# Allegro board 1156197-TDI_VU3P_QSFP28_CXP_V001_1023A-166-20241121_1644_PCB.brd (continued)
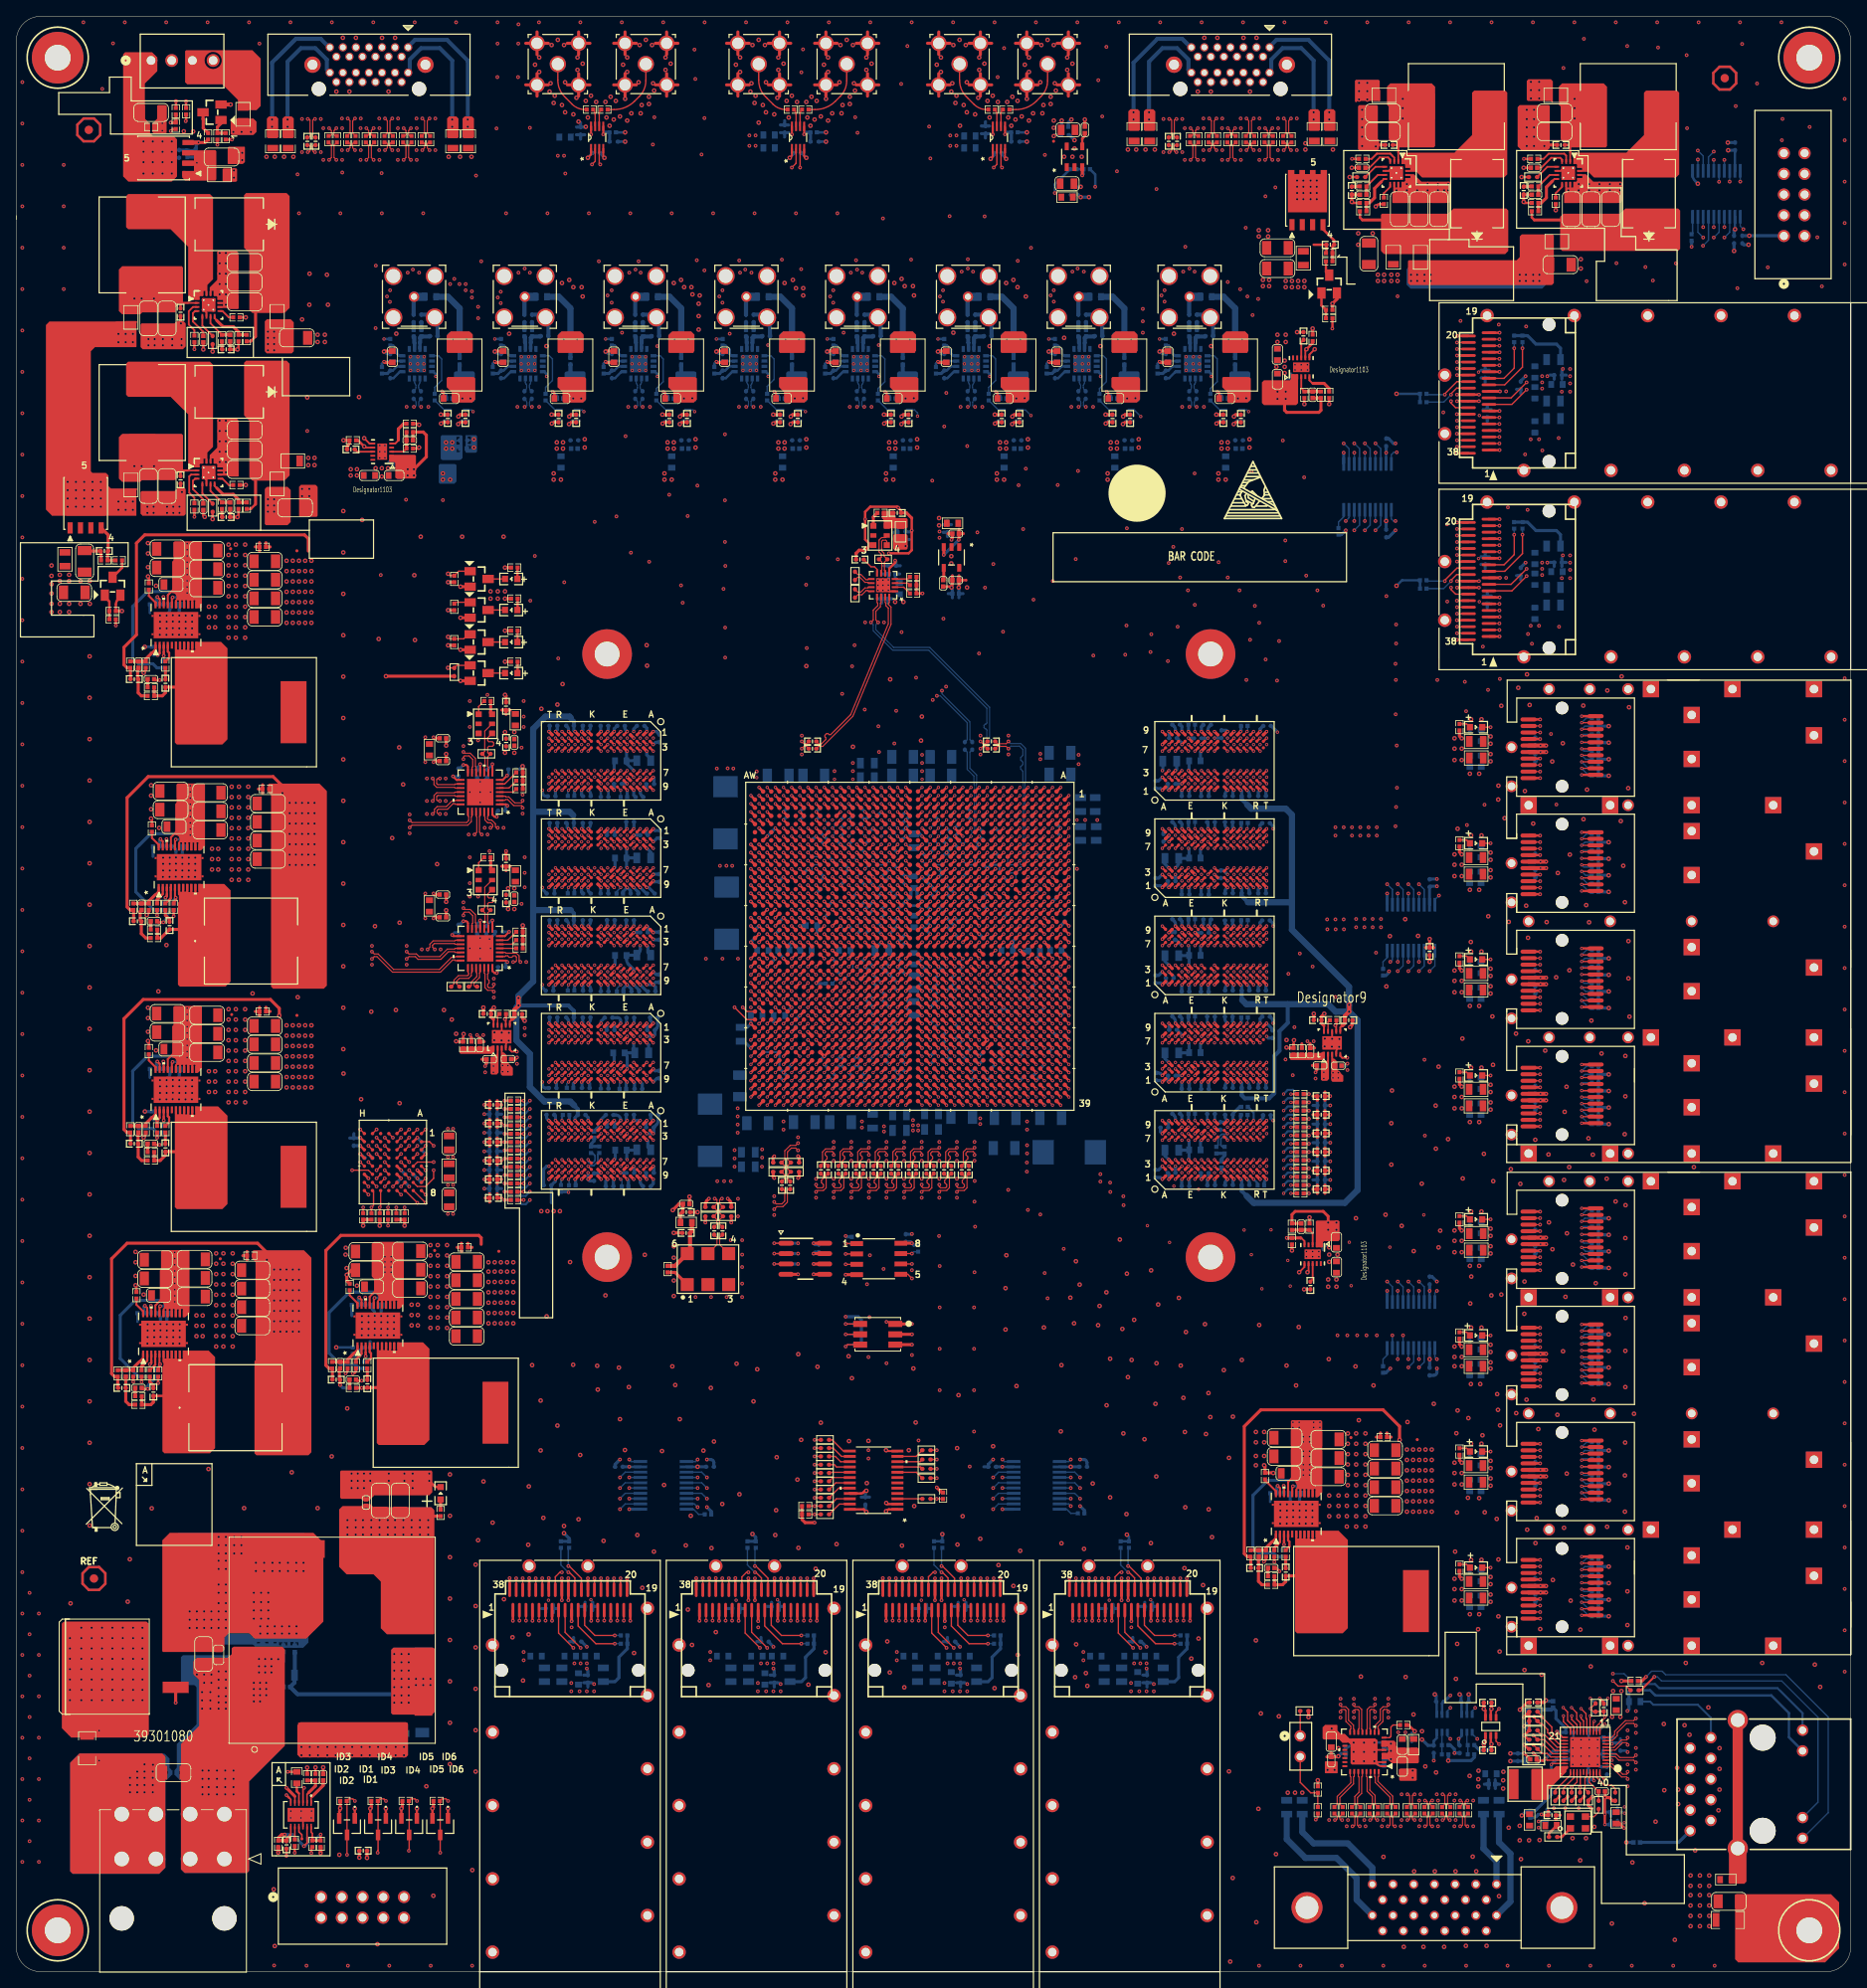
[diagram p0: board, top side]
## Routing (per net, layer and track width the routed paths; a pad name or vN(x,y) marks a point on that pad's centre or on a via; arc(x,y) is an arc through that point) (continued)
CHA_QSFP4_RX1_N: length 70
  TOP w0.14: U1.AU39 v3(92.1,106.36) ; v1(74.11,48.29) 74.11,48.28 J9.21
  ART14 w0.102: 91.75,105.89 91.75,105.92 91.7,105.97 91.7,106.64 arc(91.71,106.67) 91.73,106.71 91.75,106.72 arc(91.78,106.75) 91.82,106.76 91.97,106.76 arc(92.06,106.72) 92.1,106.62 v3(92.1,106.36)
  ART14 w0.114: v1(74.11,48.29) 73.98,48.42 arc(73.89,48.54) 73.86,48.7 73.86,49.63 arc(73.89,49.73) 73.94,49.81 74.17,50.04 arc(74.22,50.06) 74.27,50.04 arc(74.32,50.02) 74.37,50.04 74.6,50.26 arc(74.62,50.31) 74.6,50.36 74.59,50.36 arc(74.57,50.41) 74.59,50.46 77.02,52.89 arc(78.01,54.37) 78.36,56.12 78.36,64.55 arc(78.68,66.16) 79.59,67.52 91.66,79.6 arc(93.38,82.16) 93.98,85.19 93.98,100.9 arc(93.8,101.83) 93.27,102.62 92.99,102.9 arc(92.93,102.98) 92.91,103.08 92.91,103.92 arc(92.9,104.1) 92.86,104.27 arc(92.85,104.32) 92.83,104.38 92.77,104.51 arc(92.72,104.62) 92.65,104.71 92.35,105.01 arc(92.33,105.05) 92.35,105.1 arc(92.37,105.14) 92.35,105.19 92.11,105.42 arc(92.07,105.44) 92.02,105.42 arc(91.98,105.4) 91.94,105.42 91.8,105.56 arc(91.77,105.61) 91.75,105.67 91.75,105.89
CHA_QSFP4_RX1_P: length 70
  TOP w0.14: v1(73.31,48.29) 73.31,48.28 J9.22 ; U1.AU38 v3(92.1,107.36)
  ART14 w0.102: v3(92.1,107.36) 92.1,107.13 arc(92.05,107.01) 91.93,106.96 91.82,106.96 arc(91.71,106.94) 91.6,106.87 91.59,106.85 arc(91.52,106.75) 91.5,106.64 91.5,105.97 91.45,105.92 91.45,105.89
  ART14 w0.114: 91.45,105.89 91.45,105.67 arc(91.48,105.49) 91.58,105.34 92.43,104.49 arc(92.46,104.45) 92.49,104.4 92.54,104.27 arc(92.56,104.23) 92.57,104.18 arc(92.6,104.05) 92.61,103.92 92.61,103.08 arc(92.65,102.86) 92.77,102.68 93.05,102.4 arc(93.51,101.71) 93.67,100.9 93.67,85.19 arc(93.09,82.28) 91.45,79.82 79.37,67.74 arc(78.39,66.28) 78.05,64.56 78.05,56.12 arc(77.73,54.49) 76.8,53.11 74.88,51.18 73.73,50.03 arc(73.6,49.84) 73.56,49.63 73.56,48.7 arc(73.53,48.54) 73.44,48.42 v1(73.31,48.29)
CHA_QSFP4_RX2_N: length 81.2
  TOP w0.14: J9.15 v1(72.11,43.09) ; U1.AR39 v3(94.1,106.36)
  ART14 w0.102: v3(94.1,106.36) 94.1,106.65 arc(94.13,106.73) 94.2,106.76 94.37,106.76 arc(94.41,106.75) 94.45,106.73 94.46,106.71 arc(94.49,106.67) 94.5,106.62 94.5,105.97 94.45,105.92 94.45,105.89
  ART14 w0.114: v1(72.11,43.09) 71.97,42.95 arc(71.89,42.83) 71.87,42.69 71.87,42.68 arc(72.01,42.33) 72.36,42.19 74.94,42.19 arc(74.99,42.21) 75.01,42.27 arc(75.04,42.32) 75.09,42.34 75.39,42.34 arc(75.45,42.32) 75.47,42.27 arc(75.49,42.21) 75.55,42.19 75.85,42.19 arc(75.91,42.21) 75.93,42.27 arc(75.95,42.32) 76,42.34 76.31,42.34 arc(76.36,42.32) 76.39,42.27 arc(76.41,42.21) 76.46,42.19 76.66,42.19 arc(77.5,42.36) 78.21,42.83 79.39,44.01 arc(80,44.92) 80.21,45.99 80.21,46.32 arc(80.19,46.37) 80.14,46.39 arc(80.08,46.41) 80.06,46.47 80.06,46.78 arc(80.08,46.83) 80.14,46.85 arc(80.19,46.87) 80.21,46.92 80.21,47.23 arc(80.19,47.29) 80.14,47.31 arc(80.08,47.33) 80.06,47.38 80.06,47.69 arc(80.08,47.74) 80.14,47.76 arc(80.19,47.79) 80.21,47.84 80.21,48.15 arc(80.19,48.2) 80.14,48.22 arc(80.08,48.24) 80.06,48.3 80.06,48.6 arc(80.08,48.66) 80.14,48.68 arc(80.19,48.7) 80.21,48.75 80.21,61.64 arc(80.88,65) 82.79,67.85 91.28,76.35 arc(93.99,80.4) 94.94,85.18 94.94,102.9 arc(94.92,102.96) 94.86,102.99 arc(94.79,103.01) 94.77,103.08 94.77,103.36 arc(94.79,103.42) 94.86,103.44 arc(94.92,103.47) 94.94,103.53 94.94,103.81 arc(94.92,103.88) 94.86,103.9 arc(94.79,103.93) 94.77,103.99 94.77,104.27 arc(94.79,104.33) 94.86,104.36 arc(94.92,104.38) 94.94,104.45 94.94,104.59 arc(94.92,104.69) 94.87,104.78 94.62,105.03 arc(94.49,105.21) 94.45,105.43 94.45,105.89
CHA_QSFP4_RX2_P: length 81.3
  TOP w0.14: U1.AR38 v3(94.1,107.36) ; J9.14 v1(71.31,43.09)
  ART14 w0.102: 94.75,105.89 94.75,105.92 94.7,105.97 94.7,106.62 arc(94.68,106.74) 94.61,106.85 94.59,106.87 arc(94.49,106.94) 94.37,106.96 94.2,106.96 arc(94.13,106.99) 94.1,107.06 v3(94.1,107.36)
  ART14 w0.114: 94.75,105.89 94.75,105.43 arc(94.78,105.33) 94.83,105.25 95.08,105 arc(95.21,104.81) 95.25,104.59 95.25,85.18 arc(94.28,80.29) 91.5,76.13 83,67.64 arc(81.16,64.88) 80.52,61.64 80.52,45.99 arc(80.28,44.8) 79.61,43.8 78.43,42.61 arc(77.62,42.07) 76.66,41.88 72.36,41.88 arc(71.79,42.12) 71.56,42.68 71.56,42.69 arc(71.53,42.83) 71.45,42.95 v1(71.31,43.09)
CHA_QSFP4_RX3_N: length 76.6
  TOP w0.14: v1(71.71,48.29) 71.71,46.88 J9.24 ; U1.AN39 v3(96.1,106.36)
  ART14 w0.102: 90.75,105.77 90.75,105.79 90.7,105.84 90.7,107.39 arc(90.81,107.65) 91.07,107.76 95.2,107.76 arc(95.41,107.67) 95.5,107.46 95.5,107.06 arc(95.59,106.84) 95.8,106.76 96,106.76 arc(96.07,106.73) 96.1,106.65 v3(96.1,106.36)
  ART14 w0.114: v1(71.71,48.29) 71.52,48.48 arc(71.48,48.54) 71.46,48.61 71.46,48.62 arc(71.49,48.75) 71.56,48.85 71.83,49.12 arc(71.98,49.35) 72.04,49.62 72.04,50.01 arc(72.14,50.53) 72.44,50.97 75.12,53.65 arc(76.24,55.33) 76.63,57.32 76.63,65.3 arc(76.82,66.22) 77.34,67 90.32,79.98 arc(91.62,81.92) 92.08,84.21 92.08,96.35 arc(91.99,96.79) 91.74,97.16 91,97.9 arc(90.82,98.17) 90.75,98.49 90.75,103.31 arc(90.77,103.36) 90.82,103.38 arc(90.86,103.4) 90.88,103.44 90.88,103.77 arc(90.86,103.82) 90.82,103.84 arc(90.77,103.85) 90.75,103.9 90.75,104.23 arc(90.77,104.27) 90.82,104.29 arc(90.86,104.31) 90.88,104.36 90.88,104.69 arc(90.86,104.73) 90.82,104.75 arc(90.77,104.77) 90.75,104.81 90.75,105.77
CHA_QSFP4_RX3_P: length 76.7
  TOP w0.14: J9.25 70.91,46.88 v1(70.91,48.29) ; U1.AN38 v3(96.1,107.36)
  ART14 w0.102: v3(96.1,107.36) 96.1,107.06 arc(96.07,106.99) 96,106.96 95.8,106.96 arc(95.73,106.99) 95.7,107.06 95.7,107.46 arc(95.56,107.81) 95.2,107.96 91.07,107.96 arc(90.67,107.79) 90.5,107.39 90.5,105.84 90.45,105.79 90.45,105.77
  ART14 w0.114: v1(70.91,48.29) 71.1,48.48 arc(71.14,48.54) 71.16,48.61 71.16,48.62 arc(71.21,48.86) 71.34,49.07 71.61,49.34 arc(71.7,49.47) 71.73,49.62 71.73,50.01 arc(71.86,50.65) 72.22,51.19 74.9,53.87 arc(75.96,55.45) 76.33,57.32 76.33,65.3 arc(76.53,66.34) 77.12,67.22 90.1,80.2 arc(91.34,82.04) 91.77,84.21 91.77,96.35 arc(91.7,96.67) 91.52,96.95 90.78,97.69 arc(90.53,98.06) 90.45,98.49 90.45,105.77
CHA_QSFP4_TX0_N: length 84.3
  TOP w0.14: J9.37 61.31,48.28 v1(61.31,48.29) ; U1.AW34 v3(90.1,111.36)
  ART16 w0.102: v3(90.1,111.36) 90.1,111.57 arc(90.16,111.7) 90.29,111.76 90.31,111.76 arc(90.44,111.7) 90.5,111.57 90.5,110 90.48,109.58 90.48,105.89 90.43,105.84 90.43,105.82
  ART16 w0.114: 90.43,105.82 90.43,99.01 arc(90.57,98.3) 90.97,97.7 arc(91.56,96.81) 91.77,95.77 91.77,83.09 arc(91.54,81.95) 90.9,80.99 87.81,77.91 arc(84.94,75.99) 81.55,75.31 77.94,75.31 arc(76.45,75.01) 75.18,74.17 71.14,70.12 arc(70.54,69.23) 70.33,68.18 70.33,63.95 arc(70.16,63.09) 69.68,62.37 61.2,53.89 arc(60.98,53.56) 60.91,53.18 60.91,51.33 arc(60.88,51.28) 60.83,51.25 arc(60.78,51.23) 60.76,51.18 60.76,50.87 arc(60.78,50.82) 60.83,50.8 arc(60.88,50.78) 60.91,50.72 60.91,50.42 arc(60.88,50.36) 60.83,50.34 arc(60.78,50.32) 60.76,50.27 60.76,49.96 arc(60.78,49.91) 60.83,49.88 arc(60.88,49.86) 60.91,49.81 60.91,49.64 arc(60.95,49.42) 61.07,49.23 61.48,48.83 arc(61.54,48.74) 61.56,48.64 61.56,48.63 arc(61.54,48.54) 61.49,48.46 v1(61.31,48.29)
CHA_QSFP4_TX0_P: length 84.3
  TOP w0.14: J9.36 62.11,46.88 v1(62.11,48.29) ; U1.AW33 v3(90.1,112.36)
  ART16 w0.102: 90.73,105.82 90.73,105.84 90.68,105.89 90.68,109.58 90.7,109.99 90.7,111.57 arc(90.59,111.84) 90.31,111.96 90.29,111.96 arc(90.16,112.01) 90.1,112.15 v3(90.1,112.36)
  ART16 w0.114: 90.73,105.82 90.73,99.01 arc(90.85,98.42) 91.19,97.92 arc(91.84,96.93) 92.08,95.77 92.08,83.09 arc(91.83,81.84) 91.12,80.78 88.03,77.69 arc(85.06,75.7) 81.55,75 77.94,75 arc(76.57,74.73) 75.4,73.95 71.36,69.9 arc(70.83,69.11) 70.64,68.18 70.64,63.95 arc(70.45,62.97) 69.89,62.15 61.42,53.67 arc(61.27,53.45) 61.21,53.18 61.21,49.64 arc(61.23,49.54) 61.29,49.45 61.7,49.05 arc(61.82,48.86) 61.86,48.64 61.86,48.63 arc(61.88,48.54) 61.93,48.46 v1(62.11,48.29)
CHA_QSFP4_TX1_N: length 98.2
  TOP w0.14: v1(61.71,43.09) 61.71,44.37 J9.2 ; U1.AU34 v3(92.1,111.36)
  ART16 w0.102: v3(92.1,111.36) 92.1,111.57 arc(92.05,111.7) 91.91,111.76 91.8,111.76 arc(91.59,111.84) 91.5,112.06 91.5,112.46 arc(91.41,112.67) 91.2,112.76 89.81,112.76 89.76,112.7 89.73,112.7
  ART16 w0.114: v1(61.71,43.09) 61.84,42.96 arc(61.93,42.83) 61.96,42.68 61.96,42.51 arc(61.89,42.34) 61.72,42.27 61.57,42.27 arc(61.52,42.29) 61.5,42.34 arc(61.47,42.4) 61.42,42.42 61.11,42.42 arc(61.06,42.4) 61.04,42.34 arc(61.02,42.29) 60.96,42.27 60.55,42.27 arc(60.2,42.33) 59.91,42.53 59.81,42.63 arc(59.78,42.7) 59.81,42.77 arc(59.84,42.84) 59.81,42.91 59.62,43.09 arc(59.56,43.12) 59.49,43.09 arc(59.42,43.06) 59.35,43.09 59.12,43.32 arc(58.96,43.56) 58.9,43.84 58.9,44.06 arc(58.92,44.11) 58.98,44.13 arc(59.03,44.16) 59.05,44.21 59.05,44.51 arc(59.03,44.57) 58.98,44.59 arc(58.92,44.61) 58.9,44.67 58.9,44.97 arc(58.92,45.02) 58.98,45.05 arc(59.03,45.07) 59.05,45.12 59.05,45.43 arc(59.03,45.48) 58.98,45.5 arc(58.92,45.53) 58.9,45.58 58.9,45.89 arc(58.92,45.94) 58.98,45.96 arc(59.03,45.98) 59.05,46.04 59.05,46.34 arc(59.03,46.4) 58.98,46.42 arc(58.92,46.44) 58.9,46.49 58.9,52.68 arc(59.11,53.74) 59.71,54.63 67,61.92 arc(67.59,62.8) 67.79,63.83 67.79,68.48 arc(67.93,69.18) 68.33,69.77 74.12,75.56 arc(76.59,77.22) 79.51,77.8 82.54,77.8 arc(85.37,78.36) 87.76,79.96 89.48,81.68 arc(90.18,82.72) 90.42,83.95 90.42,95.42 arc(90.29,96.08) 89.92,96.65 89.86,96.71 arc(89.52,97.2) 89.41,97.79 89.41,108.54 arc(89.43,108.6) 89.48,108.62 arc(89.54,108.64) 89.56,108.7 89.56,109 arc(89.54,109.05) 89.48,109.08 arc(89.43,109.1) 89.41,109.15 89.41,109.46 arc(89.43,109.51) 89.48,109.53 arc(89.54,109.56) 89.56,109.61 89.56,109.91 arc(89.54,109.97) 89.48,109.99 arc(89.43,110.01) 89.41,110.07 89.41,110.37 arc(89.43,110.43) 89.48,110.45 arc(89.54,110.47) 89.56,110.52 89.56,110.83 arc(89.54,110.88) 89.48,110.91 arc(89.43,110.93) 89.41,110.98 89.41,112.48 arc(89.44,112.6) 89.53,112.68 arc(89.58,112.7) 89.64,112.7 89.73,112.7
CHA_QSFP4_TX1_P: length 98.3
  TOP w0.14: U1.AU33 v3(92.1,112.36) ; J9.3 62.51,44.37 v1(62.51,43.09)
  ART16 w0.102: v3(92.1,112.36) 92.1,112.15 arc(92.05,112.01) 91.91,111.96 91.8,111.96 arc(91.73,111.99) 91.7,112.06 91.7,112.46 arc(91.56,112.81) 91.2,112.96 89.81,112.96 89.76,113.01 89.73,113.01
  ART16 w0.114: v1(62.51,43.09) 62.38,42.96 arc(62.3,42.83) 62.27,42.68 62.27,42.51 arc(62.11,42.12) 61.72,41.96 60.55,41.96 arc(60.08,42.05) 59.69,42.31 58.9,43.1 arc(58.67,43.44) 58.6,43.84 58.6,52.68 arc(58.83,53.85) 59.5,54.85 66.79,62.14 arc(67.3,62.92) 67.49,63.83 67.49,68.48 arc(67.65,69.3) 68.11,69.99 73.9,75.78 arc(76.47,77.5) 79.51,78.11 82.54,78.11 arc(85.25,78.64) 87.55,80.18 89.27,81.9 arc(89.9,82.84) 90.12,83.95 90.12,95.42 arc(90.01,95.97) 89.7,96.43 89.64,96.49 arc(89.24,97.09) 89.1,97.79 89.1,112.48 arc(89.18,112.76) 89.4,112.96 arc(89.47,112.98) 89.53,113 arc(89.58,113.01) 89.64,113.01 89.73,113.01
CHA_QSFP4_TX2_N: length 80.8
  TOP w0.14: U1.AT36 v3(93.1,109.36) ; J9.34 v1(63.71,48.29)
  ART16 w0.102: 93.43,105.69 93.43,105.71 93.48,105.77 93.48,107.62 93.5,108.04 93.5,109.59 arc(93.45,109.71) 93.34,109.76 93.25,109.76 arc(93.14,109.71) 93.1,109.61 v3(93.1,109.36)
  ART16 w0.114: v1(63.71,48.29) 63.9,48.47 arc(63.94,48.54) 63.96,48.62 63.96,48.63 arc(63.99,48.81) 64.09,48.96 64.48,49.34 arc(64.56,49.47) 64.59,49.61 64.59,50.54 arc(64.57,50.58) 64.53,50.6 64.51,50.6 arc(64.47,50.62) 64.45,50.66 64.45,51 arc(64.47,51.04) 64.51,51.06 64.53,51.06 arc(64.57,51.08) 64.59,51.12 64.59,51.45 arc(64.57,51.5) 64.53,51.52 64.51,51.52 arc(64.47,51.53) 64.45,51.58 64.45,51.91 arc(64.47,51.95) 64.51,51.97 64.53,51.97 arc(64.57,51.99) 64.59,52.04 64.59,53.23 arc(64.74,53.99) 65.17,54.63 71.21,60.68 arc(72.03,61.89) 72.31,63.32 72.31,67.03 arc(72.49,67.92) 72.99,68.68 75.47,71.15 arc(77.88,72.77) 80.73,73.33 83.29,73.33 arc(85.24,73.72) 86.89,74.82 92.42,80.35 arc(93.35,81.74) 93.67,83.38 93.67,101.14 arc(93.55,101.73) 93.22,102.23 arc(93.03,102.52) 92.96,102.85 92.96,104.54 arc(93.03,104.87) 93.22,105.16 93.28,105.21 arc(93.39,105.38) 93.43,105.58 93.43,105.69
CHA_QSFP4_TX2_P: length 80.7
  TOP w0.14: J9.33 64.51,46.88 v1(64.51,48.29) ; U1.AT35 v3(93.1,110.36)
  ART16 w0.102: v3(93.1,110.36) 93.1,110.15 arc(93.16,110.01) 93.29,109.96 93.34,109.96 arc(93.6,109.85) 93.7,109.59 93.7,108.03 93.68,107.61 93.68,105.77 93.73,105.71 93.73,105.69
  ART16 w0.114: v1(64.51,48.29) 64.31,48.48 arc(64.28,48.54) 64.26,48.6 64.26,48.63 arc(64.28,48.69) 64.31,48.74 64.7,49.13 arc(64.84,49.35) 64.9,49.61 64.9,53.23 arc(65.02,53.87) 65.39,54.41 71.43,60.46 arc(72.31,61.77) 72.62,63.32 72.62,67.03 arc(72.77,67.81) 73.21,68.46 75.68,70.93 arc(78,72.48) 80.73,73.03 83.29,73.03 arc(85.35,73.44) 87.11,74.61 92.63,80.13 arc(93.63,81.63) 93.98,83.38 93.98,101.14 arc(93.84,101.85) 93.44,102.45 arc(93.31,102.63) 93.27,102.85 93.27,104.54 arc(93.31,104.76) 93.44,104.94 93.49,105 arc(93.67,105.26) 93.73,105.58 93.73,105.69
CHA_QSFP4_TX3_N: length 85.5
  TOP w0.14: U1.AP36 v3(95.1,109.36) ; v1(64.11,43.09) 64.11,44.37 J9.5
  ART16 w0.102: 95.43,105.56 95.43,105.59 95.48,105.64 95.48,107.62 95.5,108.04 95.5,109.62 arc(95.46,109.72) 95.36,109.76 95.25,109.76 arc(95.14,109.71) 95.1,109.61 v3(95.1,109.36)
  ART16 w0.114: 95.43,105.56 95.43,105.45 arc(95.37,105.15) 95.2,104.91 arc(95.01,104.62) 94.94,104.28 94.94,83.14 arc(94.37,80.25) 92.73,77.79 86.74,71.8 arc(85.7,71.11) 84.47,70.87 83.66,70.87 arc(82.92,70.72) 82.29,70.3 78.43,66.44 arc(77.98,65.77) 77.82,64.98 77.82,58.56 arc(77.69,57.91) 77.33,57.36 75.16,55.2 arc(74.63,54.84) 74,54.71 71.41,54.71 arc(70.72,54.58) 70.13,54.18 66.58,50.64 arc(66.1,49.92) 65.94,49.07 65.94,48.06 arc(65.89,47.85) 65.77,47.66 64.95,46.85 arc(64.51,46.19) 64.36,45.42 64.36,45.14 arc(64.34,45.09) 64.3,45.07 arc(64.25,45.06) 64.24,45.01 64.24,44.68 arc(64.25,44.63) 64.3,44.62 arc(64.34,44.6) 64.36,44.55 64.36,44.22 arc(64.34,44.18) 64.3,44.16 arc(64.25,44.14) 64.24,44.1 64.24,43.76 arc(64.25,43.72) 64.3,43.7 arc(64.34,43.68) 64.36,43.64 64.36,43.5 arc(64.33,43.35) 64.24,43.22 v1(64.11,43.09)
CHA_QSFP4_TX3_P: length 85.5
  TOP w0.14: v1(64.91,43.09) 64.91,43.09 J9.6 ; U1.AP35 v3(95.1,110.36)
  ART16 w0.102: v3(95.1,110.36) 95.1,110.15 arc(95.16,110.01) 95.29,109.96 95.36,109.96 arc(95.6,109.86) 95.7,109.62 95.7,108.03 95.68,107.61 95.68,105.64 95.73,105.59 95.73,105.56
  ART16 w0.114: v1(64.91,43.09) 64.78,43.22 arc(64.7,43.35) 64.67,43.5 64.67,45.42 arc(64.8,46.07) 65.17,46.63 65.99,47.44 arc(66.18,47.73) 66.24,48.06 66.24,49.07 arc(66.39,49.8) 66.8,50.42 70.35,53.97 arc(70.84,54.29) 71.41,54.41 74,54.41 arc(74.74,54.56) 75.38,54.98 77.54,57.15 arc(77.98,57.79) 78.13,58.56 78.13,64.98 arc(78.26,65.65) 78.65,66.22 82.5,70.08 arc(83.03,70.43) 83.66,70.56 84.47,70.56 arc(85.82,70.83) 86.95,71.59 92.94,77.58 arc(94.65,80.13) 95.25,83.14 95.25,104.28 arc(95.29,104.5) 95.42,104.69 arc(95.65,105.04) 95.73,105.45 95.73,105.56
CHA_QSFP4_VCCI: length 4.2
  TOP w0.305: v1(66.91,45.59) J9.30 v1(66.91,48.29)
  BOTTOM w0.381: 65.88,44.07 C502.1 ; C502.1 65.88,45.08 ; C502.1 66.41,44.57
CHA_QSFP4_VCCRX: length 2.4
  TOP w0.356: v1(68.11,43.03) 68.11,43.03 J9.10
  BOTTOM w0.381: 67.83,40.52 C497.1 68.36,41.02
  vias: v1(68.11,42.26)
CHA_QSFP4_VCCTX: length 4.2
  TOP w0.305: v1(67.71,45.59) J9.29 v1(67.71,48.29)
  BOTTOM w0.381: 69.23,44.83 C499.1 ; C499.1 69.76,45.34 ; C499.1 69.76,44.32
CHA_QSFP5_I2C_SCL: length 35.2
  TOP w0.17: v1(97.92,62.23) R511.2 ; J11.11 91.8,42.43 93.97,40.26 v1(96.29,40.26)
  ART05 w0.122: v1(97.92,62.23) 97.16,61.47 97.16,53.21 99.82,50.55 99.82,47.24 98.81,46.23 98.81,43.89 99.31,43.39 99.31,41.32 98.25,40.26 v1(96.29,40.26)
  BOTTOM w0.17: R258.2 v1(96.29,40.26)
CHA_QSFP5_I2C_SDA: length 34
  TOP w0.17: v1(97.92,63.25) R510.2 ; v1(96.29,41.27) 93.85,41.27 92.6,42.52 J11.12
  ART05 w0.122: v1(97.92,63.25) 96.65,61.98 96.65,52.83 99.19,50.29 99.19,47.37 98.17,46.35 98.17,43.81 98.81,43.18 98.81,41.78 98.3,41.27 v1(96.29,41.27)
  BOTTOM w0.17: R259.2 v1(96.29,41.27)
CHA_QSFP5_INTL: length 5.9
  TOP w0.17: v1(90.6,49.02) 90.7,49.02 91.4,48.33 J11.28
  BOTTOM w0.17: v1(90.6,49.02) 90.58,49.02 89.68,49.92 R261.2
CHA_QSFP5_LPMODE: length 25.3
  TOP w0.17: v1(89.8,49.02) 89.56,49.02 89,48.46 J11.31
  ART05 w0.122: v1(89.8,49.02) 89.28,49.54 89.28,51.18 86.74,53.72 81.28,53.72 78.99,56.01 74.8,56.01 v1(74.04,56.76)
  BOTTOM w0.17: v1(74.04,56.76) 74.69,57.41 U22.12
CHA_QSFP5_LPMODE_1V8: length 90
  TOP w0.152: U1.P26 v1(116.1,119.36)
  ART12 w0.122: v1(116.1,119.36) 115.8,119.36 115.32,118.87 114.94,118.87 114.55,118.49 114.55,105.92 116.46,104.01 116.46,72.9 112.01,68.45 96.09,68.45 85.17,57.53 84.07,57.53 v1(83.57,57.02)
  BOTTOM w0.17: U22.9 83.17,57.41 v1(83.57,57.02)
CHA_QSFP5_MODPRSL: length 26.8
  TOP w0.17: J11.27 92.2,48.29 90.7,49.78 v1(90.6,49.78)
  ART05 w0.122: v1(75.18,58.06) 76.23,57.02 78.87,57.02 81.41,54.48 87,54.48 89.92,51.56 89.92,50.46 v1(90.6,49.78)
  BOTTOM w0.17: U22.13 v1(75.18,58.06) ; R260.2 90.6,51.92 v1(90.6,49.78)
CHA_QSFP5_MODPRSL_1V8: length 93.3
  TOP w0.152: U1.M24 v1(118.1,121.36)
  ART12 w0.122: v1(118.1,121.36) 117.65,120.9 112.9,120.9 112.65,120.65 112.65,106.05 114.81,103.89 114.81,73.76 110.52,69.47 95.67,69.47 85,58.8 84.3,58.8 v1(83.57,58.06)
  BOTTOM w0.17: U22.8 v1(83.57,58.06)
CHA_QSFP5_MODSEIL: length 40.6
  TOP w0.17: v1(91.21,39.75) 89.4,41.56 J11.8
  ART05 w0.122: v1(91.21,39.75) 89.53,41.43 89.53,43.56 88.9,44.2 84.2,44.2 81.66,46.74 81.66,50.1 77.41,54.36 73.6,54.36 72.64,55.31 72.64,57.78 73.53,58.67 74.49,58.67 v1(75.18,59.37)
  BOTTOM w0.17: U22.15 75.18,59.36 v1(75.18,59.37)
CHA_QSFP5_MODSEIL_1V8: length 95.5
  TOP w0.152: U1.N24 v1(117.1,121.36)
  ART12 w0.122: v1(83.57,59.37) 84.27,60.07 84.83,60.07 95.25,70.48 110.11,70.48 113.79,74.16 113.79,102.87 110.67,105.99 110.67,122.61 110.87,122.81 115.32,122.81 115.57,122.56 115.57,122.17 115.95,121.79 116.46,121.79 116.89,121.36 v1(117.1,121.36)
  BOTTOM w0.17: U22.6 83.57,59.36 v1(83.57,59.37)
CHA_QSFP5_RESETL: length 39.7
  TOP w0.17: J11.9 90.2,41.65 v1(92.1,39.75)
  ART05 w0.122: v1(74.04,58.06) 73.3,57.32 73.3,55.73 73.91,55.12 77.72,55.12 82.42,50.42 82.42,47.12 84.71,44.83 89.53,44.83 90.3,44.07 90.3,41.55 v1(92.1,39.75)
  BOTTOM w0.17: v1(74.04,58.06) 74.69,58.71 U22.14
CHA_QSFP5_RESETL_1V8: length 91.1
  TOP w0.152: U1.P25 v1(116.1,120.36)
  ART12 w0.122: v1(116.1,120.36) 115.63,119.89 114.05,119.89 113.67,119.51 113.67,105.92 115.95,103.63 115.95,73.15 111.76,68.96 95.88,68.96 84.98,58.06 v1(84.71,58.06)
  BOTTOM w0.17: U22.7 84.06,58.71 v1(84.71,58.06)
CHA_QSFP5_RX0_N: length 71.8
  TOP w0.14: J11.18 97.4,44.37 v1(97.4,43.09) ; U1.AL39 v3(98.1,106.36)
  ART14 w0.102: v3(98.1,106.36) 98.1,106.65 arc(98.07,106.73) 98,106.76 97.82,106.76 arc(97.74,106.72) 97.7,106.64 97.7,105.97 97.75,105.92 97.75,105.89
  ART14 w0.114: v1(97.4,43.09) 97.27,43.22 arc(97.18,43.35) 97.15,43.5 97.15,43.69 arc(97.05,44.18) 96.77,44.6 96.65,44.73 arc(96.63,44.78) 96.65,44.83 96.65,44.83 arc(96.67,44.88) 96.65,44.93 96.43,45.15 arc(96.38,45.17) 96.33,45.15 arc(96.28,45.13) 96.23,45.15 96,45.37 arc(95.98,45.42) 96,45.47 arc(96.03,45.52) 96,45.57 95.78,45.8 arc(95.73,45.82) 95.68,45.8 95.68,45.8 arc(95.63,45.78) 95.58,45.8 95,46.38 arc(94.6,46.64) 94.13,46.74 93.75,46.74 arc(93.16,46.85) 92.67,47.19 91.86,47.99 arc(91.66,48.29) 91.59,48.64 91.59,63.84 arc(91.98,65.78) 93.07,67.42 95.64,69.98 arc(96.67,71.52) 97.03,73.34 97.03,104.1 arc(97.04,104.18) 97.06,104.27 arc(97.1,104.33) 97.15,104.39 97.41,104.64 arc(97.66,105.03) 97.75,105.49 97.75,105.89
CHA_QSFP5_RX0_P: length 71.8
  TOP w0.14: J11.17 96.6,44.37 v1(96.6,43.09) ; U1.AL38 v3(98.1,107.36)
  ART14 w0.102: v3(98.1,107.36) 98.1,107.06 arc(98.07,106.99) 98,106.96 97.82,106.96 arc(97.59,106.87) 97.5,106.64 97.5,105.97 97.45,105.92 97.45,105.89
  ART14 w0.114: 97.45,105.89 97.45,105.49 arc(97.38,105.15) 97.19,104.86 96.93,104.6 arc(96.81,104.45) 96.74,104.27 arc(96.73,104.18) 96.72,104.1 96.72,73.34 arc(96.38,71.64) 95.42,70.2 92.86,67.64 arc(91.69,65.9) 91.29,63.84 91.29,48.64 arc(91.38,48.17) 91.64,47.77 92.45,46.97 arc(93.05,46.57) 93.75,46.43 94.13,46.43 arc(94.48,46.36) 94.78,46.16 96.55,44.39 arc(96.77,44.07) 96.84,43.69 96.84,43.5 arc(96.81,43.35) 96.73,43.22 v1(96.6,43.09)
CHA_QSFP5_RX1_N: length 63.8
  TOP w0.14: v1(97,48.29) 97,48.28 J11.21 ; U1.AJ39 v3(100.1,106.36)
  ART14 w0.102: v3(100.1,106.36) 100.1,106.62 arc(100.06,106.72) 99.97,106.76 99.87,106.76 arc(99.75,106.71) 99.7,106.59 99.7,105.97 99.75,105.92 99.75,105.89
  ART14 w0.114: 99.75,105.89 99.75,105.26 arc(99.77,105.16) 99.83,105.07 99.95,104.96 arc(100,104.94) 100.05,104.96 arc(100.1,104.98) 100.15,104.96 100.37,104.73 arc(100.39,104.68) 100.37,104.63 arc(100.35,104.58) 100.37,104.53 100.59,104.31 arc(100.64,104.29) 100.69,104.31 arc(100.74,104.33) 100.79,104.31 101.02,104.09 arc(101.04,104.04) 101.02,103.99 arc(101,103.94) 101.02,103.89 101.11,103.8 arc(101.28,103.53) 101.35,103.22 101.35,94.09 arc(101.3,93.87) 101.18,93.69 101.04,93.55 arc(100.99,93.46) 100.97,93.36 100.97,57.31 arc(100.47,54.82) 99.06,52.7 97.57,51.22 arc(96.96,50.31) 96.75,49.23 96.75,48.7 arc(96.78,48.54) 96.87,48.42 v1(97,48.29)
CHA_QSFP5_RX1_P: length 63.8
  TOP w0.14: v1(96.2,48.29) 96.2,48.28 J11.22 ; U1.AJ38 v3(100.1,107.36)
  ART14 w0.102: v3(100.1,107.36) 100.1,107.06 arc(100.07,106.99) 100,106.96 99.87,106.96 arc(99.61,106.85) 99.5,106.59 99.5,105.97 99.45,105.92 99.45,105.89
  ART14 w0.114: 99.45,105.89 99.45,105.26 arc(99.49,105.04) 99.61,104.85 100.2,104.27 100.89,103.58 arc(101,103.42) 101.04,103.22 101.04,94.09 arc(101.02,93.99) 100.96,93.9 100.83,93.77 arc(100.7,93.58) 100.66,93.36 100.66,57.31 arc(100.19,54.93) 98.84,52.92 97.36,51.44 arc(96.68,50.42) 96.44,49.23 96.44,48.7 arc(96.41,48.54) 96.33,48.42 v1(96.2,48.29)
CHA_QSFP5_RX2_N: length 75.1
  TOP w0.14: J11.15 95,44.37 v1(95,43.09) ; U1.AG39 v3(102.1,106.36)
  ART14 w0.102: v3(102.1,106.36) 102.1,106.65 arc(102.13,106.73) 102.2,106.76 102.39,106.76 arc(102.47,106.72) 102.5,106.64 102.5,105.97 102.45,105.92 102.45,105.89
  ART14 w0.114: 102.45,105.89 102.45,105.73 arc(102.42,105.68) 102.37,105.65 102.35,105.65 arc(102.3,105.63) 102.27,105.57 102.27,105.28 arc(102.3,105.22) 102.35,105.19 102.37,105.19 arc(102.42,105.17) 102.45,105.11 102.45,104.82 arc(102.42,104.76) 102.37,104.74 102.35,104.74 arc(102.3,104.71) 102.27,104.66 102.27,104.36 arc(102.3,104.3) 102.35,104.28 102.37,104.28 arc(102.42,104.26) 102.45,104.2 102.45,103.9 arc(102.42,103.85) 102.37,103.82 arc(102.31,103.8) 102.29,103.74 102.29,103.45 arc(102.31,103.39) 102.37,103.37 arc(102.42,103.34) 102.45,103.29 102.45,103.06 arc(102.51,102.73) 102.7,102.45 102.97,102.18 arc(103.14,101.93) 103.2,101.63 103.2,58.86 arc(103.18,58.8) 103.12,58.78 arc(103.07,58.76) 103.05,58.71 103.05,58.4 arc(103.07,58.35) 103.12,58.32 arc(103.18,58.3) 103.2,58.25 103.2,57.94 arc(103.18,57.89) 103.12,57.87 arc(103.07,57.85) 103.05,57.79 103.05,57.49 arc(103.07,57.43) 103.12,57.41 arc(103.18,57.39) 103.2,57.34 103.2,57.03 arc(103.18,56.97) 103.12,56.95 arc(103.07,56.93) 103.05,56.88 103.05,56.57 arc(103.07,56.52) 103.12,56.5 arc(103.18,56.47) 103.2,56.42 103.2,56.21 arc(102.15,50.93) 99.15,46.45 98.83,46.12 arc(98.55,45.7) 98.45,45.21 98.45,44.13 arc(98.49,43.91) 98.62,43.72 98.84,43.5 arc(98.93,43.37) 98.96,43.22 98.96,42.92 arc(98.74,42.4) 98.23,42.19 95.79,42.19 arc(95.74,42.21) 95.72,42.27 arc(95.7,42.32) 95.64,42.34 95.34,42.34 arc(95.28,42.32) 95.26,42.27 arc(95.24,42.21) 95.18,42.19 94.99,42.19 arc(94.82,42.26) 94.75,42.43 94.75,42.69 arc(94.78,42.83) 94.86,42.95 v1(95,43.09)
CHA_QSFP5_RX2_P: length 75.1
  TOP w0.14: U1.AG38 v3(102.1,107.36) ; J11.14 94.2,44.37 v1(94.2,43.09)
  ART14 w0.102: 102.75,105.89 102.75,105.92 102.7,105.97 102.7,106.64 arc(102.61,106.87) 102.39,106.96 102.2,106.96 arc(102.13,106.99) 102.1,107.06 v3(102.1,107.36)
  ART14 w0.114: 102.75,105.89 102.75,103.06 arc(102.8,102.85) 102.92,102.67 103.19,102.4 arc(103.42,102.05) 103.5,101.63 103.5,56.21 arc(102.43,50.81) 99.37,46.23 99.05,45.91 arc(98.83,45.59) 98.76,45.21 98.76,44.13 arc(98.78,44.02) 98.84,43.94 99.06,43.71 arc(99.21,43.49) 99.27,43.22 99.27,42.92 arc(98.96,42.19) 98.23,41.88 94.99,41.88 arc(94.6,42.04) 94.44,42.43 94.44,42.69 arc(94.42,42.83) 94.34,42.95 v1(94.2,43.09)
CHA_QSFP5_RX3_N: length 70.1
  TOP w0.14: U1.AE39 v3(104.1,106.36) ; J11.24 94.6,46.88 v1(94.6,48.29)
  ART14 w0.102: v3(104.1,106.36) 104.1,106.65 arc(104.07,106.73) 104,106.76 103.8,106.76 arc(103.59,106.84) 103.5,107.06 103.5,107.48 arc(103.42,107.67) 103.22,107.76 99.07,107.76 arc(98.81,107.65) 98.7,107.39 98.7,105.94 98.75,105.89 98.75,105.86
  ART14 w0.114: v1(94.6,48.29) 94.41,48.48 arc(94.36,48.54) 94.35,48.61 94.35,48.62 arc(94.37,48.75) 94.45,48.85 94.75,49.16 arc(94.88,49.35) 94.92,49.57 94.92,64.89 arc(95.2,66.28) 95.99,67.46 97.39,68.86 arc(98.81,71) 99.31,73.52 99.31,101.85 arc(99.33,101.9) 99.38,101.92 arc(99.42,101.93) 99.44,101.98 99.44,102.31 arc(99.42,102.35) 99.38,102.37 arc(99.33,102.39) 99.31,102.44 99.31,102.77 arc(99.33,102.81) 99.38,102.83 99.39,102.83 arc(99.44,102.85) 99.45,102.89 99.45,103.22 arc(99.44,103.27) 99.39,103.29 99.38,103.29 arc(99.33,103.31) 99.31,103.35 99.31,103.58 arc(99.27,103.79) 99.15,103.98 98.83,104.29 arc(98.77,104.38) 98.75,104.48 98.75,105.86
